# Altium PCB 2224_BuzzerWireGame.PcbDoc (continued)
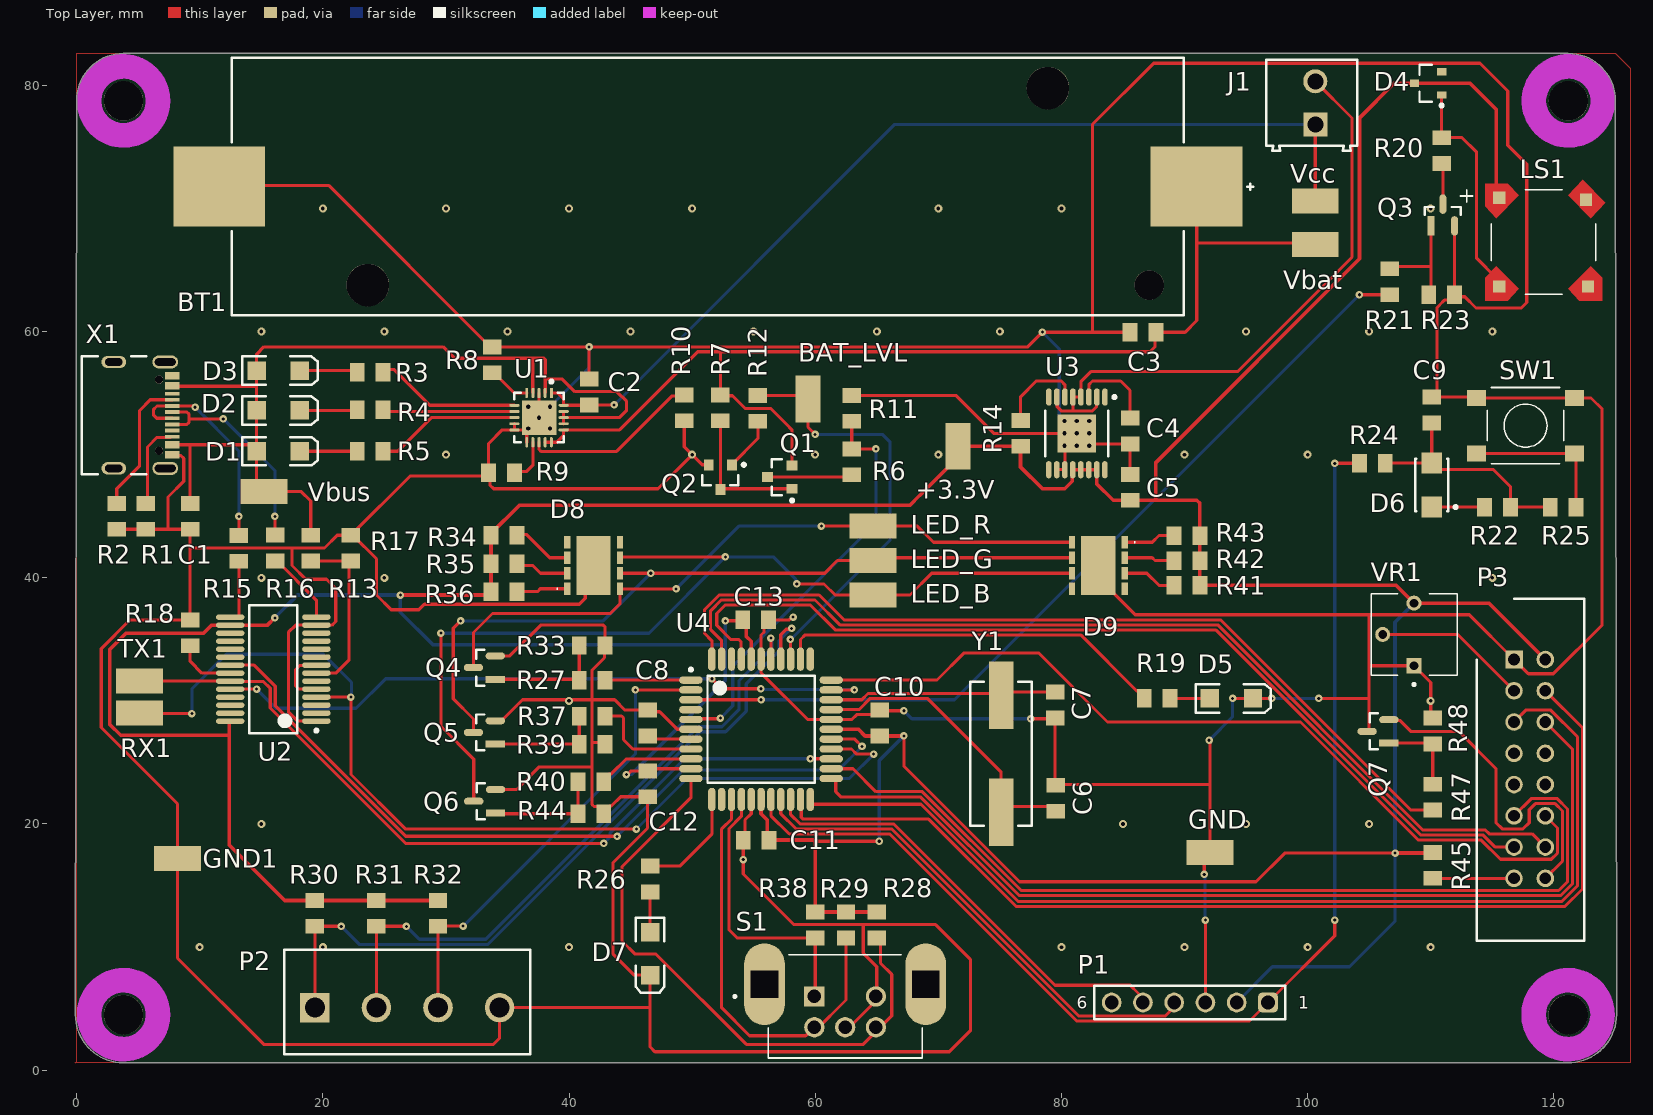
[diagram p0: Top Layer view]
## Part data
+3.3V BAT_LVL GND GND1 LED_B LED_G LED_R RX1 TX1 Vbat Vbus Vcc: library part CMP-1672-00008-1, "Test Point, 1 Position SMD, RoHS, Tape and Reel", Package Quantity=1000, ComponentLink1Description="Manufacturer URL", ComponentLink1URL=http://www.keyelco.com/, ComponentLink2Description=Datasheet, ComponentLink2URL=http://www.keyelco.com/product-pdf.cfm?p=1357, Contact Plating=Silver, DatasheetVersion=03/2014, Mount="Surface Mount", Mounting Technology="Surface Mount", PackageDescription="1-Pin Surface Mount Device, Body 3.81 x 2.03 mm", PackageReference=5019, Packaging="Tape and Reel", Pins=1, RoHSCompliant=True
BT1: library part CMP-19636-000019-1, "BATTERY HOLDER 18650 SMD TAB", Max Operating Temperature=145°C, Min Operating Temperature=-50°C, Package Quantity=200, Lead Free="Lead Free", Mount="Surface Mount", Number of Cells=1, Packaging=Tray, Termination=SMD/SMT
C1 C2 C3: library part Cap, "Capacitor", LatestRevisionDate=17-Jul-2002, LatestRevisionNote="Re-released for DXP Platform.", PackageDescription="Radial Cap, Thru-Hole; 2 Leads; 0.3 in Pin Spacing", PackageReference=RAD-0.3, Published=8-Jun-2000, Publisher="Altium Limited"
C4: library part CMP-08246-002735-1, "Multilayer Ceramic Capacitors 4.7μF ±10% 35V X7R SMD 0805", Capacitance=4.7uF, Case Code (Imperial)=0805, Case Code (Metric)=2012, Dielectric=X7R, Dielectric Material=Ceramic, Max Operating Temperature=125°C, Min Operating Temperature=-55°C, Package Quantity=2000, Tolerance=10%, Voltage Rating=35V, Case/Package=0805, Construction=Flat, Depth=1.25mm, Height=1.25mm, Lead Free="Lead Free", Length=2mm, Mount="Surface Mount", Packaging="Tape and Reel", Radiation Hardening=No, REACH SVHC="No SVHC", RoHS Compliant=Yes, Series=C, Termination=SMD/SMT, Thickness=0.057inch, Voltage Rating (DC)=35V, Weight=0.000194oz, Width=0.049inch
C5: library part CMP-08246-000118-1, "Cap Ceramic 6.8uF 10V X5R 20% Pad SMD 0805 +85°C Automotive T/R", Capacitance=6.8uF, Case Code (Imperial)=0805, Case Code (Metric)=2012, Dielectric=X5R, Max Operating Temperature=85°C, Min Operating Temperature=-55°C, Package Quantity=2000, Ratings=AEC-Q200, Tolerance=20%, Voltage Rating=10V, Case/Package=0805, Height=1.25mm, Length=0.079inch, Mount="Surface Mount", Packaging="Tape and Reel", Thickness=0.057inch, Voltage Rating (DC)=10V, Weight=0.000194oz, Width=0.049inch
C6 C7: library part CMP-1036-01211-1, "CAP 22pF 10V ±10% 0805 (2012 Metric) Thickness 0.75mm SMD", Case-EIA=0805, Case-Metric=2012, Rated Voltage="10 V", Tolerance=Â±10%, Max Thickness="0.75 mm", Technology=SMT
C8: library part CMP-2007-03243-2, "CAP CER 10UF 10V X5R 0805", 3DS Part Number=220-00001, Capacitance=10uF, Manufacturer=Kemet, Manufacturer Part Number=C0805C106K8PACTU, Package=C0805C-DG, Temperature="-55°C to +85°C", Temperature Characteristic=X5R, Temperature Coefficient=15%, Temperature Range High=+85°C, Temperature Range Low=-55°C, Tolerance=10%, Voltage=10V, Automotive=No, Category=Cap, ComponentLink2Description=Datasheet, ComponentLink2URL=https://content.kemet.com/datasheets/KEM_C1006_X5R_SMD.pdf, Device Class L1="Passive Components", Device Class L2=Capacitors, Device Class L3="Ceramic Capacitors", Digikey Description="CAP CER 10UF 10V X5R 0805", Height=1.4mm, Ipc Land Pattern Name=CAPC200125X125, Lead Free=Yes, Material=Ceramic, Mouser Description="CAP CER 10UF 10V X5R 0805", Octopart=https://octopart.com/c0805c106k8pactu-kemet-98697, RoHS=TRUE, Voltage Rating=10V
C9 C10 C11 C12 C13: library part 885012207098, "WCAP-CSGP General Purpose Ceramic Capacitors, size 0805, 100nF, +/-10%, 50VDC", Capacitance=100nF, Capacitance Tolerance=+/-10%, Isolation Resistance=>=5GOhm, Operating Temperature="-55 to +125degC", Rated Voltage=50VDC, Supplier Part Number 1=732-8080-1-ND, Ceramic Type=X7R, ComponentLink1Description=Manufacturer, ComponentLink1URL=http://www.we-online.de, ComponentLink2Description=Datasheet, ComponentLink2URL=https://katalog.we-online.com/pbs/datasheet/885012207098.pdf, Dissipation Factor=#NAME?, Height="0.8mm +/-0.10mm", Mounting Technology=SMD, Packaging="Tape and Reel", Part Number=885012207098, Published Date="August 2019", Publisher="Wurth Elektronik", Size=0805, Supplier 1=Digi-Key, Supplier 2=Distrelec, Supplier Part Number 2=30067953, Technical Reference=X7R0805104K050DFCT10000
D1 D2 D3 D5 D7: library part LED2, "Typical RED, GREEN, YELLOW, AMBER GaAs LED", LatestRevisionDate=17-Jul-2002, LatestRevisionNote="Re-released for DXP Platform.", PackageDescription="SM LED; 2 Flat Leads", PackageReference=3.2X1.6X1.1, PackageVersion=Feb-2002, Published=8-Jun-2000, Publisher="Altium Limited"
D4: library part CMP-1176-00017-1, "Silicon Switching Diode, SOT23, Reel, Green", Manufacturer=Infineon, ComponentLink1Description="Manufacturer URL", ComponentLink1URL=http://www.infineon.com/, ComponentLink2Description=Datasheet, ComponentLink2URL=http://www.infineon.com/dgdl/bas16series.pdf?folderId=db3a30431400ef6801141b5844e103ea&fileId=db3a30431400ef6801141b93811b03ff, ComponentLink3Description="Package Specification", ComponentLink3URL=http://www.infineon.com/dgdl/SOT23-Package_Overview.pdf?folderId=db3a30431936bc4b0119532290053c66&fileId=db3a30431936bc4b0119533468123c85, Configuration=Single, Green=TRUE, IF (max)="250Â mA", IR (max)="100Â nA", Mounting Technology="Surface Mount", PackageDescription="3-Pin Small Outline Transistor Package, 1.3 x 2.9 mm Body, 0.95 mm Pitch", PackageReference=SOT23, PackageVersion=Apr-08, PartNumber=BAS16, trr (max)="4Â ns", VBR (min)="85Â V", VF (max)="1.25Â V", VR (max)="80Â V"
D6: library part CMP-0549-00004-1, "Schottky Barrier Rectifier, 40 V Maximum DC Blocking Voltage, -65 to 125 degC, 2-Pin SMA Case, RoHS", Manufacturer="Vishay Semiconductor", Operating Temperature="-65 to 125 degC", ComponentLink1Description="Manufacturer URL", ComponentLink1URL=http://www.vishay.com/, ComponentLink2Description=Datasheet, ComponentLink2URL=http://www.vishay.com/docs/88746/ss12.pdf, ComponentLink3Description="Package Specification", ComponentLink3URL=http://www.vishay.com/docs/88746/ss12.pdf, DatasheetVersion=12/17/2012, IF(AV)="1 A Max.", IFSM="40 A", Mounting Technology="Surface Mount", PackageDescription="2-Pin SMD, Body 4.245 x 2.665 mm, Height 2.29 mm", PackageReference=DO-214AC-2, PackageVersion=Dec-12, PartNumber=SS14-E3/5AT, RoHS=TRUE, VDC="40 V Max.", VRMS="28 V Max.", VRRM="40 V Max."
D8 D9: "High Power LEDs - Multi-Colour RGB, White 6000K LED", Manufacturer_Name=Wolfspeed, Mouser Part Number=941-XMLDCL0R25C5A02, Datasheet Link=https://eu.mouser.com/datasheet/2/723/XLamp_XMLDCL-2935899.pdf, Geometry.Height=3.15mm, Manufacturer_Part_Number=XMLDCL-00-R250-00C5AAA02, Mouser Price/Stock=https://www.mouser.co.uk/ProductDetail/Cree-LED/XMLDCL-00-R250-00C5AAA02?qs=Znm5pLBrcALryTgji8xmYQ%3D%3D
J1: library part CMP-1502-02464-1, "Serie 2141 - 3.50 mm Horizontal Entry Modular with Rising Cage Clamp WR-TBL, 2 pin", Manufacturer="Wurth Elektronik", Operating Temperature=-40to105degC, Datasheet URL=http://katalog.we-online.de/em/datasheet/6912141100xx.pdf, Manufacturer URL=http://www.we-online.de, Mounting Technology=THT, Package Reference=691214110002, Packaging=Box, Part Number=691214110002, Pin Number=2, Pitch=3.50mm, Publisher=WurthElektronik
LS1: "Loudspeaker", LatestRevisionDate=17-Jul-2002, LatestRevisionNote="Re-released for DXP Platform.", PackageReference=PIN2, Published=24-Mar-1999, Publisher="Altium Limited"
P1: library part CMP-1502-01070-1, "THT Vertical Pin Header WR-PHD, Pitch 2.54 mm, Single Row, 6 pins", Contact Resistance=20mOhm, Manufacturer="Wurth Elektronik", Operating Temperature=-40to105degC, Rated Current=3A, Withstanding Voltage=500VAC, Working Voltage=250VAC, Datasheet URL=https://katalog.we-online.de/em/datasheet/6130xx11121.pdf, Gender=Male, Manufacturer URL=http://www.we-online.de, Mounting Technology=THT, Orientation=Vertical, Package Reference=61300611121, Packaging=Bag, Part Number=61300611121, Pin Number=6, Pitch=2.54mm, Publisher=WurthElektronik, Row Number=Single
P2: library part CMP-1502-02028-1, "Serie 3117 - 5.00mm Open Vertical PCB Header WR-TBL, 4 pin", Manufacturer="Wurth Elektronik", Operating Temperature=-40to105degC, Datasheet URL=http://katalog.we-online.de/em/datasheet/6913117000xx.pdf, Gender=Male, Manufacturer URL=http://www.we-online.de, Mounting Technology=THT, Package Reference=691311700004, Packaging=Box, Part Number=691311700004, Pin Number=4, Pitch=5.00mm, Publisher=WurthElektronik
P3: "Header, 16-Pin", LatestRevisionDate=17-Jul-2002, LatestRevisionNote="Re-released for DXP Platform.", Publisher="Altium Limited"
Q1: library part CMP-1058-00745-1, "Power MOSFET, -20 V, -1 A, P-Channel, 3-Pin SOT-23, Pb-Free, Tape and Reel", Manufacturer="On Semiconductor", Package Type=SOT-23-3, Channel Polarity="P Channel", Ciss Typ (pF)=165, ComponentLink1Description="Manufacturer URL", ComponentLink1URL=http://www.onsemi.com/, ComponentLink2Description=Datasheet, ComponentLink2URL=http://www.onsemi.cn/pub_link/Collateral/NTR1P02T1-D.PDF, ComponentLink3Description="Package Specification", ComponentLink3URL=http://www.onsemi.cn/pub_link/Collateral/318-08.PDF, Configuration=Single, Coss Typ (pF)=110, Crss Typ (pF)=35, DatasheetVersion="Rev. 7", ID Max (A)=1, Mounting Technology="Surface Mount", PackageDescription="3-Pin Small Outline Transistor, Body 2.92 x 1.3 mm, Pitch 0.95 mm", PackageReference=SOT-23-3-318-08, PackageVersion="Rev. AP, 11/2009", Packing="Tape and Reel", PartNumber=NVR1P02T1G, PD Max (W)=0.4, Qrr Typ (nC)=8, RoHS=Pb-Free, V(BR)DSS Min (V)=20, VGS Max (V)=20, VGS(th) Max (V)=2.3
Q2: library part CMP-1058-00767-1, "Power MOSFET, 200 mA, 50 V, N-Channel, 3-Pin SOT-23, Pb-Free, Tape and Reel", Manufacturer="On Semiconductor", Package Type=SOT-23-3, Channel Polarity="N Channel", Ciss Typ (pF)=40, ComponentLink1Description="Manufacturer URL", ComponentLink1URL=http://www.onsemi.com/, ComponentLink2Description=Datasheet, ComponentLink2URL=http://www.onsemi.com/pub_link/Collateral/BSS138LT1-D.PDF, ComponentLink3Description="Package Specification", ComponentLink3URL=http://www.onsemi.cn/pub_link/Collateral/318-08.PDF, Configuration=Single, Coss Typ (pF)=12, Crss Typ (pF)=3.5, DatasheetVersion="Rev. 8", ID Max (A)=0.2, Mounting Technology="Surface Mount", PackageDescription="3-Pin Small Outline Transistor, Body 2.92 x 1.3 mm, Pitch 0.95 mm", PackageReference=SOT-23-3-318-08, PackageVersion="Rev. AP, 11/2009", Packing="Tape and Reel", PartNumber=BSS138LT1G, PD Max (W)=0.225, RoHS=Pb-Free, V(BR)DSS Min (V)=50, VGS Max (V)=20, VGS(th) Max (V)=1.5
Q3 Q4 Q5 Q6 Q7: library part CMP-32901-000179-1, "MOSFET N-CH 20V 1.2A SOT-23", Case/Package=SOT-23, Continuous Drain Current (ID)=1.2A, Drain to Source Breakdown Voltage=20V, Drain to Source Resistance=350mR, Gate to Source Voltage (Vgs)=12V, Input Capacitance=110pF, Max Operating Temperature=150°C, Max Power Dissipation=540mW, Min Operating Temperature=-55°C, Power Dissipation=540W, Threshold Voltage=700mV, Contact Plating=Tin, Drain to Source Voltage (Vdss)=20V, Element Configuration=Single, Halogen Free="Halogen Free", Height=0.04inch, Lead Free="Lead Free", Length=0.119inch, Max Dual Supply Voltage=20V, Mount="Surface Mount", Number of Pins=3, Packaging="Tape and Reel", Rds On Max=250mR, REACH SVHC="No SVHC", Rise Time=9.5ns, Turn-Off Delay Time=9.7ns, Turn-On Delay Time=2.5ns, Width=0.055inch
R1 R2 R3 R4 R5 R8 R9 R10 R13 R17 R18 R20 R21 R23 R27 R28 R29 R30 R31 R32 R33 R34 R35 R36 R37 R38 R39 R40 R41 R42 R43 R44 R45 R47 R48: library part Res2, "Resistor", LatestRevisionDate=17-Jul-2002, LatestRevisionNote="Re-released for DXP Platform.", PackageDescription="Axial Device, Thru-Hole; 2 Leads; 0.4 in Pin Spacing", PackageReference=AXIAL-0.4, Published=8-Jun-2000, Publisher="Altium Limited"
R6 R7 R11 R12: library part Res3, "Resistor", LatestRevisionDate=29-May-2009, LatestRevisionNote="IPC-7351 Footprint Added.", PackageDescription="Chip Resistor", PackageReference=J1-0603, Published=8-Jun-2000, Publisher="Altium Limited"
R14: library part CMP-2001-00479-1, Manufacturer=Panasonic, Part Number=ERJ-P06J104V
R15 R16: "Resistor", LatestRevisionDate=17-Jul-2002, LatestRevisionNote="Re-released for DXP Platform.", PackageDescription="Axial Device, Thru-Hole; 2 Leads; 0.4 in Pin Spacing", PackageReference=AXIAL-0.4, Published=8-Jun-2000, Publisher="Altium Limited"
R19 R26: library part CMP-2001-00528-1, Manufacturer=Panasonic, Part Number=ERJ6ENF2703V
R22: library part CMP-2001-04376-1, Manufacturer=Panasonic, Part Number=ERJ-6ENF1002V
R24: library part CMP-1013-00510-2, Manufacturer="Vishay Dale", Part Number=CRCW08051K00FKEA
R25: library part CMP-2001-04723-1, Manufacturer="Vishay Dale", Part Number=TNPW0805100RBEEA
S1: library part CMP-07421-000062-1, "ROTARY ENCODER MECHANICAL 24PPR", Max Operating Temperature=70°C, Min Operating Temperature=-30°C, Package Quantity=75, Built in Switch=Yes, Detent=Yes, Encoder Type=Mechanical, Height=13.4mm, Hole Diameter=2.1mm, Length=26mm, Mount="Through Hole", Number of Channels=2, Orientation="Right Angle", Output Type=Quadrature, Packaging=Bulk, Pulses per Revolution=24, RoHS Compliant=Yes, Series=PEC12R, Termination="PC Pin", Width=12.5mm
SW1: library part CMP-1452-00013-1, "WS-TASV SMD Tact Switch 6X6 mm", Manufacturer="Wuerth Elektronik", ComponentLink1Description="Manufacturer URL", ComponentLink1URL=http://www.we-online.com, ComponentLink2Description=Datasheet, ComponentLink2URL=http://katalog.we-online.de/em/datasheet/4301x2.pdf, NoPins=04, PackageReference=430182043816, PartNumber=430182043816
U1: "Charger IC Lithium Ion/Polymer 20-QFN _4x4_", Package="QFN-20 Microchip", Digi-Key_Part_Number=MCP73871T-2CCI/MLCT-ND, Digi-Key_Purchase_URL=https://www.digikey.com/product-detail/en/microchip-technology/MCP73871T-2CCI-ML/MCP73871T-2CCI-MLCT-ND/7065594?utm_source=snapeda&utm_medium=aggregator&utm_campaign=symbol, MF=Microchip, MP=MCP73871T-2CCI/ML, SnapEDA_Link=https://www.snapeda.com/parts/MCP73871T-2CCI/ML/Microchip/view-part/1049920/?ref=snap
U2: library part CMP-0967-00141-1, "USB-to-UART Bridge Controller, 3 to 5.25 V, 0 to 70 degC, 28-Pin SSOP (PVX28), Tape and Reel", Manufacturer=Cypress, Max. Operating Temp. (degreesC)=70, Max. Operating Voltage (V)=5.25, Min. Operating Temp. (degreesC)=0, Min. Operating Voltage (V)=3, ComponentLink1Description="Manufacturer URL", ComponentLink1URL=http://www.cypress.com/, ComponentLink2Description=Datasheet, ComponentLink2URL=http://www.cypress.com/?docID=48153, ComponentLink3Description="Package Specification", ComponentLink3URL=http://www.cypress.com/?docID=1371, DatasheetVersion="Rev. *D", Memory Architecture=Flash, Mounting Technology="Surface Mount", PackageDescription="28-Pin Super Small Outline Package, Body 10.2 x 5.3 mm, Pitch 0.65 mm", PackageReference=PVX28, PackageVersion="Rev. *C, 10/2001", Packing="Tape and Reel", PartNumber=CY7C64225-28PVXCT, RoHS=Pb-Free
U4: library part CMP-0048-00499-1, "32-bit Microcontroller with Audio and Graphics Interface, USB and Advanced Analog, 50 MHz, 33 I/O, PMP, -40 to 85 degC, 44-pin TQFP (PT44), Tray", Manufacturer=Microchip, PartNumber=PIC32MX250F128D-I/PT, ComponentLink1Description="Manufacturer URL", ComponentLink1URL=http://www.microchip.com, ComponentLink2Description=Datasheet, ComponentLink2URL=http://ww1.microchip.com/downloads/en/DeviceDoc/61168E.pdf, ComponentLink3Description="Package Specification", ComponentLink3URL=http://www.microchip.com/stellent/groups/techpub_sg/documents/packagingspec/en012702.pdf, ComponentLink4Description="Product URL", ComponentLink4URL=http://www.microchip.com/PIC32MX250F128D, DatasheetVersion="Rev. E", Mounting Technology="Surface Mount", PackageDescription="44-Lead Plastic Thin Quad Flatpack, 10 x 10 mm Body, 0.8 mm Pitch", PackageReference=TQFP-PT44, PackageVersion=C04-076B
VR1: "1 kOhms 0.5W, 1/2W PC Pins Through Hole Trimmer Potentiometer Cermet 1 Turn Top Adjustment", Package="3116 Bourns", Availability=Warning, Check_prices=https://www.snapeda.com/parts/3362P-1-102LF/Bourns/view-part/468358/?ref=eda, MF=Bourns, MP=3362P-1-102LF, Price=None, Purchase-URL=https://pricing.snapeda.com/search/part/3362P-1-102LF/?ref=eda, SnapEDA_Link=https://www.snapeda.com/parts/3362P-1-102LF/Bourns/view-part/468358/?ref=snap
X1: library part "USB-C Type 2.0", "U262-161N-4BVC11 /  XKB Connectivity", Supplier Part Number 1=C319148, ComponentLink1Description="LCSC  C319148", ComponentLink1URL=https://lcsc.com/product-detail/USB-Connectors_XKB-Connectivity-U262-161N-4BVC11_C319148.html, Supplier 1=LCSC
Y1: library part CMP-1749-00001-1, "Resistance Weld SMD Crystal, 8 MHz, +/- 30 ppm, 12 pF, -20 to 70 degC, 2-Pin SMD, RoHS, Tape and Reel", Case\Package=SOT-553-6, Max Operating Temperature="150 degC", Max Supply Voltage="3.3 V", Max Supply Voltage (DC)="6 V", Min Operating Temperature="-55 degC", Min Supply Voltage="1.4 V", Min Supply Voltage (DC)="4 V", Output Current="3 mA", Package Quantity=1, ComponentLink1Description="Manufacturer URL", ComponentLink1URL=http://www.foxonline.com/, ComponentLink2Description=Datasheet, ComponentLink2URL=http://foxonline.com/pdfs/hc49sdlf.pdf, DatasheetVersion=Mar-15, Height="0.55 mm", Interface=I2C, Length="1.6 mm", Mount="Surface Mount", PackageDescription="2-Pin Surface Mount Device, Body 5 x 11.7 mm, Height 4.5 mm", PackageReference=FOX-FOXSDLF160-20, Packaging="Cut Tape", Pins=6, Radiation Hardening=No, REACH SVHC="No SVHC", RoHSCompliant=true, Weight="9.9E-05 oz", Width="1.2 mm"

## Free pads (board coordinates)
  round 3.2 hole 3.2: M3(3.81,4.51) M3(3.81,78.74) M3(121.158,4.51) M3(121.179,78.74)

## Via types
v1: diameter 0.61, hole 0.25, Top Layer to Bottom Layer, 57 vias
v2: diameter 0.65, hole 0.3, Top Layer to Bottom Layer, 39 vias
v3: diameter 0.75, hole 0.35, Top Layer to Bottom Layer, 14 vias

## Nets (pads, with @x,y where several pads share a name; then routed paths per layer and width w, separated by ;. In a path a pad name is that pad's centre, name@x,y a point inside that pad or via, vN(x,y) a via of type N, cw(c..) or ccw(c..) an arc to the next point about the centre after c; other vN are vias at no path point)
3V3: D6.2 R22.2 | length 4.3
  Top Layer w0.254: D6.2 R22.2
+3.3V: +3.3V.1 C5.1 C10.1 C11.1 C12.1 C13.1 D4.3 LS1.P P1.2 P3.2 R14.1 R28.2 R29.2 R30.2 R31.2 R32.2 R34.1 R35.1 R36.1 R38.2 R41.1 R42.1 R43.1 R45.2 U2.16 U2.28 U3.12 U3.13 U3.14 U3.15 U4.10 U4.17 U4.28 U4.40 VR1.3 | length 430.7
  Top Layer w0.254: v1(44.664,24.016) 44.76,24.016 45.059,24.314 C12.1 ; v1(67.2,27.15) 67.2,24.707 76.598,15.309 95.8,15.309 98.128,17.637 v1(107.1,17.637)
  Top Layer w0.3: U2.28 12.4,28.281 12.4,27.2 ; v1(16.103,36.751) 15.51,36.157 U2.16 10.979,36.157 10.329,35.507 4.038,35.507 2.7,34.169 2.7,28.084 3.584,27.2 12.4,27.2 ; v1(26.3,38.6) 33.386,38.6 R36.1 R35.1 R34.1 33.666,43.59 35.976,45.9 67.7,45.9 68.5,46.7 68.505,46.7 71.602,49.797 +3.3V.1 R14.1 76.682,49.007 78.46,47.229 80.276,47.229 80.888,47.841 80.888,48.744 U3.12 U3.13 U3.14 U3.15 82.876,47.624 84.2,46.3 C5.1 87.672,46.3 ; R32.2 R31.2 R30.2 16.91,13.79 12.4,18.3 12.4,27.2 ; C12.1@46.558,24.492 U4.10 ; v1(52.7,36.5) 54.028,36.5 C13.1 ; C13.1@54.296,36.582 54.405,36.473 54.405,35.237 54.8,34.842 U4.40 ; U4.17 55.6,20.834 56.108,20.326 56.108,18.84 C11.1 59.824,18.694 59.918,18.6 ; U4.28 63.51,27.692 64.052,27.15 v1(67.2,27.15) ; R28.2 R29.2 R38.2 60,18.518 59.918,18.6 ; v1(65.2,18.6) 59.918,18.6 ; v1(107.1,17.637) 110.116,17.637 R45.2 ; LS1.P 115.322,71.114 115.322,78.037 113.195,80.164 D4.3 107.022,80.164 104.208,77.35 104.208,65.908 87.672,49.372 87.672,46.3 ; P3.2 114.735,37.936 VR1.3 107.187,39.388 R41.1 R42.1 R43.1 91.248,46.052 91,46.3 87.672,46.3
  Bottom Layer w0.254: P1.2 97.14,8.4 103.401,8.4 107.1,12.1 v1(107.1,17.637)
  Bottom Layer w0.3: v1(16.103,36.751) 17.953,38.6 v1(26.3,38.6) 26.3,37.2 28.942,34.558 52.61,34.558 ; v1(44.664,24.016) 44.702,24.053 45.094,24.053 52.7,31.66 v1(52.7,36.5) ; v1(65.2,18.6) 65.2,25.15 v1(67.2,27.15) ; v1(107.1,17.637) 107.1,36.397 VR1.3
BAT_LVL: BAT_LVL.1 R12.1 U4.36 | length 34.4
  Top Layer w0.254: R12.1 58.868,54.817 BAT_LVL.1@59.156,54.529 ; v1(57.99,34.99) 57.995,34.985 57.995,33.397 U4.36 ; BAT_LVL.1 59.41,52.235 v1(59.99,51.655)
  Bottom Layer w0.254: v1(57.99,34.99) 58.003,34.99 66.083,43.07 66.083,51.017 65.445,51.655 v1(59.99,51.655)
BAT_READ: R6.1 R11.2 U4.5 | length 33.9
  Top Layer w0.254: U4.5 49.954,28.546 52.246,28.546 v1(52.3,28.6) ; R11.2@62.966,52.901 R11.2 R6.1 v1(64.93,50.465)
  Bottom Layer w0.254: v1(52.3,28.6) 53.3,29.6 53.3,32.824 64.93,44.454 v1(64.93,50.465)
D+: R16.1 X1.A6 X1.B6 | length 17.5
  Top Layer w0.254: X1.B6 8.972,52.46 9.121,52.609 9.121,52.898 ; X1.A6 8.972,53.46 9.121,53.311 9.121,52.898 ; v1(11.912,52.91) 9.133,52.91 9.121,52.898 ; v1(16.103,44.989) 16.103,43.502 R16.1
  Bottom Layer w0.254: v1(11.912,52.91) 16.103,48.718 v1(16.103,44.989)
D-: R15.1 X1.A7 X1.B7 | length 17.5
  Top Layer w0.254: X1.A7 6.515,52.96 6.237,53.238 6.237,53.664 6.533,53.96 9.424,53.96 9.53,53.854 v1(9.626,53.854) ; R15.1 v1(13.182,44.989)
  Bottom Layer w0.254: v1(9.626,53.854) 13.182,50.298 v1(13.182,44.989)
GND: BT1.1 C1.1 C2.1 C3.1 C4.2 C5.2 C6.1 C7.1 C8.2 C9.2 C10.2 C11.2 C12.2 C13.2 D5.2 D7.2 D8.9 D9.9 GND1.1 GND.1 P1.3 P2.4 P3.1 Q2.2 Q3.2 Q4.2 Q5.2 Q6.2 Q7.3 R1.1 R2.1 R8.1 R9.1 R10.1 R11.1 R17.1 R18.1 R23.2 R33.2 R39.2 R44.2 R48.2 S1.2 S1.C SW1.1 SW1.3 U1.3 U1.9 U1.10 U1.11 U1.21 U2.1 U2.13 U3.10 U3.11 U4.6 U4.16 U4.29 U4.39 VR1.1 X1.A1B12 X1.B1A12 | length 761
  Top Layer w0.254: R2.1@3.107,43.944 R2.1 R1.1 7.422,43.944 ; X1.A1B12@7.485,56.533 X1.A1B12@7.658,56.36 ; X1.B1A12@7.658,49.96 7.683,49.935 8.465,49.935 8.7,49.7 8.7,47.838 7.422,46.56 7.422,43.944 ; BT1.1 11.689,71.882 20.472,71.882 33.606,58.748 R8.1 33.771,58.763 v1(41.63,58.763) ; U2.1 17.958,28.357 17.2,29.115 17.2,35.566 17.791,36.157 U2.13 20.758,36.157 20.907,36.306 20.907,36.314 21.056,36.463 21.056,39.122 20.296,39.882 18.618,39.882 17.5,41 17.5,42.424 ; R17.1@22.359,43.533 27.092,48.266 33.212,48.266 R9.1 ; Q5.2 34.511,28.384 36.219,30.092 41.878,30.092 ; Q4.2 35.2,33.656 37.701,36.157 42.785,36.157 42.934,36.008 R33.2 42.885,34.451 42.885,33.518 41.878,32.511 41.878,30.092 ; Q6.2 35.743,22.8 37.583,24.641 41.878,24.641 ; U1.9 U1.10 ; U1.11 U1.21@36.566,52.013 ; v3(36.677,52.124) U1.21@36.566,52.013 ; v3(37.566,53.013) U1.3 ; C2.1 v1(41.63,58.763) ; D8.9 41.315,40.315 41.315,38.329 40.838,37.852 28.252,37.852 27.8,37.4 25.558,37.4 24.358,38.6 24.358,41.534 22.434,43.458 R17.1 21.174,43.458 20.14,42.424 17.5,42.424 ; R39.2 42.785,26.633 41.878,26.633 ; R10.1 49.362,50.638 v2(50,50) ; U4.6 48.793,27.692 47.362,29.122 46.508,29.122 C8.2 44.549,29.25 43.707,30.092 41.878,30.092 ; Q2.2 50.821,49.179 v2(50,50) ; C11.2 v1(54.154,17.1) 54.154,15.942 58.273,11.823 63.897,11.823 ; C11.2@54.3,18.694 54.3,20.334 54.8,20.834 U4.16 ; C13.2 57.886,36.582 58.104,36.8 v1(58.2,36.8) ; C13.2@56.325,36.074 55.966,36.074 55.851,35.959 55.851,35.6 55.6,35.349 55.6,32.279 55.749,32.13 59.387,28.492 U4.29 62.966,28.492 63.361,28.887 64.889,28.887 C10.2 65.302,29.2 v1(67.2,29.2) ; S1.C@62.5,3.2 65,5.7 65,8.403 63.897,9.506 63.897,11.823 ; R11.1 71.418,54.817 74.503,51.732 v3(80.251,51.732) ; v1(77.5,28.546) C7.1@79.415,28.546 ; v1@78.442,59.932 77.273,58.763 v1(41.63,58.763) ; v1(78.46,59.95) 82.391,59.95 ; C7.1 79.482,23.196 92.061,23.196 ; U3.10@79.626,48.782 U3.11 80.276,50.707 v3(80.251,50.732) ; v3(82.251,50.732) 82.391,50.872 C4.2 C5.2 ; D9.9 83,40 86,37 105,37 ; C3.1 82.391,59.95 ; v1(91.6,15.9) 91.6,17.223 GND.1 92.061,23.196 ; P1.3 v1(91.7,12.2) ; v1(92,26.8) 92.061,26.739 92.061,23.196 ; v1(93.9,30.2) 95.559,30.2 D5.2 95.562,30.2 v1(97.1,30.2) ; v1(100.9,30.2) 104.978,30.2 ; Q7.3 104.831,27.522 104.978,27.669 104.978,30.2 ; C9.2 C9.2@110.234,54.679 ; R48.2 110,28.769 110,31.495 VR1.1 105,32.856 104.978,32.878 ; Q3.2 R23.2 ; 7.422,43.944 9.217,43.944 C1.1 9.222,42.424 ; 9.222,42.424 17.5,42.424 ; 9.222,42.424 R18.1 4.332,36.582 2,34.25 2,27.833 8.2,21.633 8.2,9.1 15.2,2.1 33.861,2.1 34.358,2.597 P2.4 46.58,5.086 ; R9.1 33.568,48.418 33.568,47.538 33.877,47.229 47.229,47.229 v2(50,50) ; R9.1 33.466,50.905 34.574,52.013 U1.10 ; U1.10 U1.21@36.566,52.013 ; 41.878,24.641 41.878,26.633 ; 41.878,24.641 41.878,21.569 42.027,21.421 42.348,21.421 42.821,20.948 R44.2 42.821,20.984 43.294,21.457 43.444,21.457 44.201,22.214 C12.2 46.38,19.668 43.585,16.873 43.585,9.434 45.294,7.725 D7.2 46.58,5.086 ; 41.878,26.633 41.878,30.092 ; 46.58,5.086 46.58,1.896 46.976,1.5 70.9,1.5 72.6,3.2 72.6,9 69.777,11.823 63.897,11.823 ; 82.391,59.95 82.524,60.083 82.524,76.834 87.49,81.8 114,81.8 116.258,79.542 116.258,75.142 117.8,73.6 117.8,62.366 117.353,61.919 113.681,61.919 112.768,62.832 112.102,62.832 R23.2 ; 104.978,30.2 104.978,32.878 ; 104.978,32.878 104.978,36.978 105,37 ; 105,37 113.131,37 P3.1 117.931,32.2 119.955,32.2 123.92,36.165 123.92,53.706 123.018,54.609 SW1.1 113.659,54.679 C9.2@110.234,54.679 ; C9.2@110.234,54.679 110.5,54.944 110.5,61.919 110.714,62.133 110.714,62.162 111.104,62.552 111.49,62.552 R23.2
  Bottom Layer w0.254: v3(38.455,53.902) 41.63,57.077 v1(41.63,58.763) ; v1(67.2,29.2) 67.854,28.546 v1(77.5,28.546) ; v1(78.46,59.95) 79.828,58.582 79.828,53.155 v3(80.251,52.732) ; v1(91.6,15.9) 91.65,15.85 91.65,12.25 v1(91.7,12.2) ; v1(92,26.8) 93.9,28.7 v1(93.9,30.2) ; v1(97.1,30.2) v1(100.9,30.2)
  other v2: 10,10 20,10 40,10 80,10 90,10 100,10 110,10 15,20 85,20 95,20 105,20 40,30 110,30 15,40 25,40 115,40 30,50 60,50 70,50 90,50 100,50 15,60 25,60 35,60 45,60 55,60 65,60 75,60 95,60 105,60 115,60 20,70 30,70 40,70 50,70 70,70 80,70 110,70
  other v3: 81.251,50.732 81.251,51.732 82.251,51.732 38.455,52.124 81.251,52.732 82.251,52.732 36.677,53.902
LCD_BL: R47.2 U4.44 | length 71.1
  Top Layer w0.254: U4.44 51.6,34.9 51,35.5 51,37.4 52.2,38.6 60.32,38.6 62.338,36.582 92.918,36.582 108.362,21.138 R47.2
LCD_DB4: P3.11 U4.24 | length 75.4
  Top Layer w0.254: U4.24 63.066,24.492 64.93,22.628 68.706,22.628 76.741,14.593 120.392,14.593 121.108,15.309 121.108,21.224 120.272,22.059 118.163,22.059 P3.11
LCD_DB5: P3.12 U4.33 | length 70.5
  Top Layer w0.254: U4.33 69.892,31.692 72.1,33.9 78.132,33.9 83.748,28.284 99.416,28.284 109.01,18.69 114.11,18.69 115.667,17.133 119.794,17.133 120.298,17.637 120.298,19.673 P3.12
LCD_DB6: P3.13 U4.41 | length 78.1
  Top Layer w0.254: U4.41 53.974,33.418 53.974,34.816 53.8,34.99 53.142,34.99 52,36.132 52,37.1 52.69,37.79 59.61,37.79 61.628,35.772 92.528,35.772 109.205,19.095 114.278,19.095 115.249,18.124 P3.13
LCD_DB7: P3.14 U4.43 | length 80.8
  Top Layer w0.254: U4.43 52.4,34.89 51.5,35.79 51.5,37.327 52.368,38.195 59.984,38.195 62.002,36.177 92.696,36.177 109.373,19.5 114.446,19.5 114.751,19.195 118.236,19.195 P3.14
LCD_E: P3.6 U4.23 | length 78.9
  Top Layer w0.254: U4.23@61.672,23.692 61.672,22.628 62.115,22.185 68.576,22.185 76.573,14.188 120.56,14.188 121.513,15.141 121.513,26.078 P3.6
LCD_RS: P3.4 U4.21 | length 85.9
  Top Layer w0.254: U4.21 58.866,21.926 58.866,20.549 59.015,20.4 69.216,20.4 76.316,13.3 120.9,13.3 122.323,14.723 122.323,27.808 P3.4
LCD_RW: P3.5 U4.22 | length 85
  Top Layer w0.254: U4.22 59.6,21.76 59.76,21.6 68.589,21.6 76.484,13.705 120.649,13.705 121.918,14.973 121.918,27.074 119.717,29.274 117.758,29.274 P3.5
LED_B: R40.2 U4.9 | length 7.9
  Top Layer w0.254: R40.2 42.821,23.599 43.294,24.072 43.444,24.072 44.664,25.292 U4.9
LED_Debug: R19.2 U4.35 | length 31.9
  Top Layer w0.254: U4.35 58.8,34.99 59.177,35.367 81.556,35.367 86.098,30.824 86.248,30.824 86.721,30.351 R19.2
LED_G: R37.2 U4.8 | length 9.1
  Top Layer w0.254: R37.2 44.275,28.77 44.424,28.622 44.424,26.854 45.186,26.092 U4.8
LED_R: R27.2 U4.1 | length 7
  Top Layer w0.254: R27.2 U4.1
LED_Vie: R26.2 U4.12 | length 8.9
  Top Layer w0.254: R26.2 49,16.579 51.6,19.179 U4.12
MCLR: P1.1 R24.2 U4.18 | length 97.3
  Top Layer w0.254: U4.18 56.4,20.684 57.899,19.185 66.051,19.185 81.241,3.995 88.598,3.995 88.599,3.996 95.276,3.996 P1.1 102.2,10.92 v1(102.2,12.2) ; v1(102.2,49.3) 104.198,49.3 R24.2
  Bottom Layer w0.254: v1(102.2,12.2) v1(102.2,49.3)
NetBT1_2: BT1.2 C3.2 Q1.2 R7.2 U1.14 U1.15 U1.16 Vbat.1 | length 92
  Top Layer w0.254: U1.14 U1.15 39.011,51.013 39.566,51.568 U1.16 44.107,52.013 50.452,58.358 52.298,58.358 ; R7.2@52.298,54.817 52.33,54.785 53.28,54.785 54.298,53.767 56.362,53.767 57.632,52.497 57.632,52.491 58.124,51.999 Q1.2 ; R7.2 52.298,58.358 ; BT1.2@90.995,71.882 90.995,67.211 ; Vbat.1 100.473,67.211 90.995,67.211 ; 52.298,58.358 87.195,58.358 87.6,58.763 87.6,59.878 C3.2 90.05,59.95 90.995,60.896 90.995,67.211
NetC2_2: C2.2 J1.1 U1.1 U1.20 Vcc.1 | length 78.6
  Top Layer w0.254: U1.1@38.566,55.009 39.089,55.009 39.566,54.532 U1.20 41.315,54.013 C2.2@41.63,54.328 ; C2.2 v1(43.662,54.04) ; Vcc.1 J1.1
  Bottom Layer w0.254: v1(43.662,54.04) 66.456,76.834 J1.1
NetC4_1: C4.1 U3.3 | length 7
  Top Layer w0.254: U3.3 82.226,55.688 82.524,55.986 84.81,55.986 85.572,55.224 C4.1
NetC8_1: C8.1 U4.7 | length 3.6
  Top Layer w0.254: C8.1 46.638,26.892 U4.7
NetC9_1: C9.1 D6.1 R22.1 R24.1 R25.2 | length 19.1
  Top Layer w0.254: R24.1 110.072,49.311 D6.1 ; C9.1 D6.1 ; R25.2 R22.1 116.468,47.418 115.084,48.803 110.604,48.803 D6.1
NetD1_2: D1.2 R5.1 | length 4.7
  Top Layer w0.254: D1.2@18.111,50.284 R5.1
NetD2_2: D2.2 R4.2 | length 4.8
  Top Layer w0.254: D2.2 R4.2@22.88,53.593
NetD3_2: D3.2 R3.1 | length 4.7
  Top Layer w0.254: D3.2 R3.1@22.8,56.828
NetD4_1: D4.1 LS1.N R20.1 | length 18.5
  Top Layer w0.254: D4.1@110.899,79.201 D4.1 R20.1 112.541,75.755 113.729,74.566 113.729,65.946 115.277,64.398 115.277,63.959 LS1.N
NetD5_1: D5.1 R19.1 | length 2.9
  Top Layer w0.254: R19.1@89.148,30.201 D5.1
NetD7_1: D7.1 R26.1 | length 3.3
  Top Layer w0.254: D7.1 R26.1
NetD8_1: D8.1 R36.2 | length 4.2
  Top Layer w0.254: R36.2 37.435,38.88 37.665,39.11 D8.1
NetD8_2: D8.2 R35.2 | length 4.4
  Top Layer w0.254: R35.2 35.896,41 37.058,41 37.688,40.37 D8.2
NetD8_3: D8.3 R34.2 | length 5.1
  Top Layer w0.254: R34.2@35.877,43.33 R34.2 35.829,43.502 36.566,43.502 38.438,41.63 D8.3
NetD8_6: D8.6 D9.6 LED_B.1 Q6.3 | length 79.4
  Top Layer w0.254: v1(29.6,35.5) 29.6,27.928 32.26,25.269 Q6.3 ; D8.6 44.21,41.7 v1(52.7,41.7) ; v1(58.5,39.5) 60.718,39.5 61.618,38.6 LED_B.1 67.7,38.6 69.47,40.37 D9.6
  Bottom Layer w0.254: v1(29.6,35.5) 46.5,35.5 v1(52.7,41.7) 56.6,41.7 58.432,39.868 58.432,39.568 v1(58.5,39.5)
NetD8_7: D8.7 D9.7 LED_G.1 Q5.3 | length 64.3
  Top Layer w0.254: v1(31.2,36.5) 30.6,35.9 30.6,30.164 32.24,28.524 Q5.3 ; D8.7 v1(46.638,40.37) 60.77,40.37 61.8,41.4 LED_G.1 64.93,41.63 D9.7
  Bottom Layer w0.254: v1(31.2,36.5) 42.768,36.5 v1(46.638,40.37)
NetD8_8: D8.8 D9.8 LED_R.1 Q4.3 | length 56.3
  Top Layer w0.254: Q4.3 32.24,35.551 33.789,37.1 43.362,37.1 44.14,37.878 D8.8 44.15,39.1 v1(48.7,39.1) ; v1(60.5,44.2) 68.3,44.2 69.61,42.89 D9.8
  Bottom Layer w0.254: v1(48.7,39.1) 53.8,44.2 v1(60.5,44.2)
NetD9_1: D9.1 R43.2 | length 4.3
  Top Layer w0.254: D9.1 87.384,42.89 87.926,43.432 R43.2 R43.2@89.128,43.412
NetD9_2: D9.2 R42.2 | length 4.1
  Top Layer w0.254: D9.2 87.37,41.63 87.6,41.4 R42.2
NetD9_3: D9.3 R41.2 | length 4.4
  Top Layer w0.254: D9.3 86.944,40.37 87.926,39.388 R41.2
NetP3_3: P3.3 VR1.2 | length 12.6
  Top Layer w0.254: VR1.2 112.195,35.396 P3.3
NetP3_15: P3.15 R45.1 | length 6.6
  Top Layer w0.254: R45.1 P3.15
NetP3_16: P3.16 Q7.2 | length 28.1
  Top Layer w0.254: Q7.2 106.653,28.418 107.482,28.418 108.378,27.522 112.278,27.522 115.3,24.5 115.3,20.1 115.8,19.6 117.5,19.6 118,20.1 118,21.154 118.5,21.654 120.104,21.654 120.703,21.056 120.703,16.979 P3.16
NetQ1_1: Q1.1 Q2.3 R7.1 | length 11.3
  Top Layer w0.254: Q2.3 52.348,47.229 Q1.1 ; Q2.3@52.298,47.229 R7.1@52.298,52.717
NetQ1_3: Q1.3 R6.2 | length 6.9
  Top Layer w0.254: Q1.3 62.78,48.179 R6.2
NetQ2_1: Q2.1 R12.2 | length 4.4
  Top Layer w0.254: Q2.1 53.248,49.229 55.346,51.327 R12.2
NetQ3_1: Q3.1 R21.2 R23.1 | length 9.2
  Top Layer w0.254: R21.2 106.854,65.298 109.968,65.298 110.036,65.23 ; R23.1 110.036,63.198 110.036,65.23 ; Q3.1 110.036,65.23
NetQ3_3: Q3.3 R20.2 | length 3.3
  Top Layer w0.254: R20.2 110.986,73.555 Q3.3
NetQ4_1: Q4.1 R27.1 R33.1 | length 9.7
  Top Layer w0.254: Q4.1 40.77,31.756 R27.1 R33.1
NetQ5_1: Q5.1 R37.1 R39.1 | length 9.1
  Top Layer w0.254: Q5.1 R39.1 R37.1
NetQ6_1: Q6.1 R40.1 R44.1 | length 9.3
  Top Layer w0.254: Q6.1 34.096,20.834 R44.1 R40.1
NetQ7_1: Q7.1 R47.1 R48.1 | length 6.9
  Top Layer w0.254: Q7.1 110.097,26.572 R48.1 R47.1
NetR1_2: R1.2 X1.B5 | length 6.9
  Top Layer w0.254: R1.2 5.755,46.173 5.755,50.63 6.535,51.41 X1.B5@7.658,51.41
NetR2_2: R2.2 X1.A5 | length 11.3
  Top Layer w0.254: R2.2 3.257,47.231 5.118,49.092 5.118,53.593 5.985,54.46 X1.A5
NetR3_2: R3.2 U1.6 | length 11.9
  Top Layer w0.254: R3.2@24.98,56.828 25.173,57.021 25.261,56.933 25.763,56.933 28.683,54.013 U1.6
NetR4_1: R4.1 U1.7 | length 10.6
  Top Layer w0.254: R4.1@24.98,53.513 U1.7
NetR5_2: R5.2 U1.8 | length 11.8
  Top Layer w0.254: R5.2@24.912,50.284 26.074,50.284 28.803,53.013 U1.8
NetR8_2: R8.2 U1.5 | length 3.5
  Top Layer w0.254: R8.2 33.906,56.648 35.541,55.013 U1.5
NetR9_2: R9.2 U1.12 | length 3.6
  Top Layer w0.254: R9.2 35.693,48.647 36.577,48.647 37.066,49.137 U1.12
NetR10_2: R10.2 U1.13 | length 14.3
  Top Layer w0.254: U1.13 37.566,50.419 37.715,50.27 43.87,50.27 48.38,54.78 49.291,54.78 R10.2
NetR13_1: R13.1 R17.2 U2.7 | length 14.4
  Top Layer w0.254: R13.1 R17.2@22.134,41.358 ; U2.7 21.049,32.257 22.134,33.342 R17.2@22.134,41.358 ; R17.2 R17.2@22.134,41.358
NetR14_2: R14.2 U3.6 | length 7.2
  Top Layer w0.254: R14.2 76.682,54.716 77.952,55.986 79.984,55.986 80.276,55.694 U3.6
NetR15_2: R15.2 U2.15 | length 5.2
  Top Layer w0.254: U2.15 13.067,36.807 13.182,36.922 R15.2
NetR16_2: R16.2 U2.14 | length 6
  Top Layer w0.254: R16.2 16.282,41.374 19.476,38.18 U2.14
NetR18_2: R18.2 U2.22 | length 4.9
  Top Layer w0.254: R18.2 9.222,33.214 10.179,32.257 U2.22
NetR25_1: R25.1 SW1.2 SW1.4 | length 12.4
  Top Layer w0.254: SW1.2 SW1.4 121.802,49.986 R25.1
NetU2_5: U2.5 U2.8 | length 5
  Top Layer w0.254: U2.5 18.045,30.957 17.791,31.211 17.791,32.548 18.112,32.869 19.438,32.869 U2.8
OSC1: C6.2 U4.30 Y1.1 | length 23.3
  Top Layer w0.254: U4.30 63.551,29.292 64.46,30.201 69.099,30.201 75.1,24.2 75.1,21.6 75.278,21.422 C6.2@79.1,21.422
OSC2: C7.2 U4.31 Y1.2 | length 18.6
  Top Layer w0.254: U4.31 63.778,30.092 64.293,30.606 74.944,30.606 Y1.2 75.362,30.712 C7.2
PEC12_A: R28.1 S1.B U4.11 | length 48.7
  Top Layer w0.254: U4.11 49.896,23.688 49.896,22.123 44.3,16.527 44.3,10.5 45.366,9.434 47.066,9.434 54.403,2.097 63.897,2.097 65,3.2 66.219,4.419 66.219,7.781 65.302,8.698 65.302,10.448 R28.1
PEC12_B: R29.1 S1.A U4.14 | length 34.5
  Top Layer w0.254: U4.14 53.2,20.4 52.4,19.6 52.4,5.066 54.666,2.8 59.153,2.8 59.154,2.801 59.223,2.801 59.622,3.2 60,3.2 62.5,5.7 R29.1
PEC12_PB: R38.1 S1.1 U4.15 | length 23.3
  Top Layer w0.254: U4.15 54,20.627 53,19.627 53,11.396 53.646,10.75 R38.1 S1.1@60,5.7
PGEC: P1.5 U4.20 | length 37.2
  Top Layer w0.254: U4.20@58.124,22.628 58,22.504 U4.20 58,20.765 58.77,19.995 66.387,19.995 79.482,6.9 85.59,6.9 86.224,6.266 86.224,6.26 P1.5@86.984,5.5
PGED: P1.4 U4.19 | length 40.7
  Top Layer w0.254: U4.19 57.2,20.838 58.448,19.59 66.219,19.59 81.409,4.4 88.43,4.4 P1.4@89.53,5.5
PIN_START: P2.1 R30.1 U4.37 | length 61.5
  Top Layer w0.254: P2.1 R30.1 v1(21.5,11.69) ; U4.37 57.2,35.375 57.649,35.824 58.013,35.824 v1(58.081,35.892)
  Bottom Layer w0.254: v1(21.5,11.69) 22.99,10.2 33.373,10.2 50.668,27.495 52.726,27.495 54.4,29.169 54.4,31.387 57.083,34.07 57.083,34.907 58.068,35.892 v1(58.081,35.892)
PIN_STOP: P2.2 R31.1 U4.38 | length 52.9
  Top Layer w0.254: P2.2 R31.1 v1(26.79,11.69) ; U4.38 v1(56.4,35.1)
  Bottom Layer w0.254: v1(26.79,11.69) 27.84,10.64 33.24,10.64 50.5,27.9 52.424,27.9 53.8,29.276 53.8,31.611 56.476,34.287 56.476,34.541 56.468,34.549 56.468,35.032 v1(56.4,35.1)
PIN_WIRE: P2.3 R32.1 U4.2 | length 38.2
  Top Layer w0.254: P2.3 R32.1 29.368,11.7 v1(31.4,11.7) ; v1(45.4,30.9) 45.404,30.896 49.896,30.896 U4.2
  Bottom Layer w0.254: v1(31.4,11.7) 45.4,25.7 v1(45.4,30.9)
PWM_Buzzer: R21.1 U4.3 | length 70.4
  Top Layer w0.254: U4.3 v1(55.6,30.092) ; v1(104.208,62.992) 106.648,62.992 R21.1
  Bottom Layer w0.254: v1(55.6,30.092) 71.308,30.092 v1(104.208,62.992)
U1CTS: U2.24 U4.32 | length 54.6
  Top Layer w0.254: U2.24 v1(14.623,30.957) ; v1(51.6,31.8) 52.415,30.985 v1(55.585,30.985) ; U4.32 U4.32 v1(63.19,30.89) v1(63.19,30.89)
  Bottom Layer w0.254: v1(14.623,30.957) 16.18,29.4 22.7,29.4 25.1,31.8 v1(51.6,31.8) ; v1(55.585,30.985) 55.63,30.94 63.14,30.94 v1(63.19,30.89)
U1RTS: U2.21 U4.27 | length 63.8
  Top Layer w0.254: U2.21 14.422,32.907 16.132,31.197 16.132,29.595 26.727,19 v1(43.9,19) ; U4.27 63.208,26.892 v1(63.8,26.3)
  Bottom Layer w0.254: v1(43.9,19) 49.3,24.4 61.9,24.4 v1(63.8,26.3)
U1RX: RX1.1 U2.4 U4.26 | length 82.1
  Top Layer w0.254: RX1.1 5.163,28.962 v1(9.372,28.962) ; U2.4 v1(22.284,30.307) 22.284,24.016 26.7,19.6 45.468,19.6 v1(45.478,19.59) ; U4.26 62.945,26.092 63.361,25.676 v1(64.742,25.676)
  Bottom Layer w0.254: v1(9.372,28.962) 9.372,30.994 12.166,33.788 20.04,33.788 22.326,31.502 22.326,30.348 v1(22.284,30.307) ; v1(45.478,19.59) 49.588,23.7 62.766,23.7 v1(64.742,25.676)
U1TX: TX1.1 U2.23 U4.25 | length 65.6
  Top Layer w0.254: TX1.1 U2.23 12.513,31.569 15.187,31.569 15.727,31.029 15.727,29.427 26.737,18.417 v1(42.821,18.417) ; v1(59.6,25.3) 59.604,25.296 61.296,25.296 U4.25
  Bottom Layer w0.254: v1(42.821,18.417) 43.317,18.913 43.317,19.241 49.376,25.3 v1(59.6,25.3)
VBus: C1.2 D1.1 D2.1 D3.1 R13.2 U1.2 U1.4 U1.17 U1.18 U1.19 Vbus.1 X1.A4B9 X1.B4A9 | length 80.9
  Top Layer w0.254: X1.A4B9@7.658,55.56 14.623,55.56 ; X1.B4A9 9.217,50.81 9.222,50.805 ; C1.2 9.222,50.805 ; Vbus.1@14.623,46.996 D1.1@14.623,50.27 ; Vbus.1 18.262,46.996 19.024,46.234 R13.2 ; U1.4 37.058,55.021 37.058,57.829 ; U1.2 38.066,56.14 ; U1.17 U1.18 ; U1.19 U1.18 ; 9.222,50.805 14.102,50.805 D1.1 D2.1 14.623,55.56 ; 14.623,55.56 D3.1 14.623,58.172 15.214,58.763 29.774,58.763 30.708,57.829 37.058,57.829 ; 37.058,57.829 37.949,57.829 38.066,57.712 38.066,56.14 ; 38.066,56.14 39.461,56.14 40.477,55.124 43.882,55.124 44.678,54.328 44.678,53.6 44.091,53.013 U1.18
Vcc: J1.2 U3.2 U3.4 U3.5 U3.7 | length 49.8
  Top Layer w0.254: U3.7 79.663,54.644 79.663,53.881 79.984,53.56 80.926,53.56 ; U3.2 82.849,54.655 82.849,53.885 82.524,53.56 80.926,53.56 ; J1.2 103.606,77.35 103.606,66.046 94.308,56.748 82.391,56.748 81.576,55.933 U3.4 U3.5 80.926,53.56
pads on no net: BT1. D4.2 D8.4 D8.5 D9.4 D9.5 LS1.2 LS1.4 P1.6 P3.7 P3.8 P3.9 P3.10 S1.S1 S1.S2 U2.2 U2.3 U2.6 U2.9 U2.10 U2.11 U2.12 U2.17 U2.18 U2.19 U2.20 U2.25 U2.26 U2.27 U3.1 U3.8 U3.9 U3.16 U4.4 U4.13 U4.34 U4.42 X1. X1.A8 X1.B8 X1.S1 X1.S2 X1.S3 X1.S4

## Polygon pours and split planes (outlines as drawn)
GND on Bottom Layer "NONET_L02_P002" (solid, remove dead copper, shelved, pour order 2): -3.9,90 -2.9,91 135.4,91 135.4,-4.7 129.6,-10.5 129.4,-10.3 -9.3,-10.3 -9.3,84.5 -3.8,90
GND on Top Layer "NONET_L01_P000" (solid, remove dead copper, shelved, pour order 0): 0,82.6 125,82.6 126.2,81.4 126.2,0.6 -0.1,0.6 0,0.7

## Keep-outs
Keep-Out Layer:
  circle w2: c121.179,78.74 r2.8
  circle w2: c121.158,4.51 r2.8
  circle w2: c3.81,78.74 r2.8
  circle w2: c3.81,4.51 r2.8

## Silkscreen, mask and mechanical layers (free items; w line width, h text height)
Bottom Overlay:
  lines w0.254: 7,19 7,28 37,28 37,19 7,19
  text "2224_BuzzerWireGame" at 36.046,25.608 h1.52
  text "Santiago Valiante" at 36.046,22.962 h1.52
  text "v1.0.0" at 15.849,20.508 h1.52
  text "2023" at 35.938,20.254 h1.52
Board Outline (ES):
  the board outline again, w0.254

## Dimensions
3.81,82.6 to 2.6,48.1 on Mechanical 1
3.81,82.6 to 0.42,58 on Mechanical 1
121.179,82.6 to 122.2,0.6 on Top Dims
0,78.74 to 125,78.74 on Top Dims

## Text inside footprints (layer, text, board x,y; h text height)
P1: Top Overlay "1" at 99.25,5 h1.02; Top Overlay "6" at 81.25,5 h1.02
X1: Top 3D Body "PCB EDGE" at 0.52,47.81 h0.41 r270